# KiCad board QBusH723Z.kicad_pcb (continued)
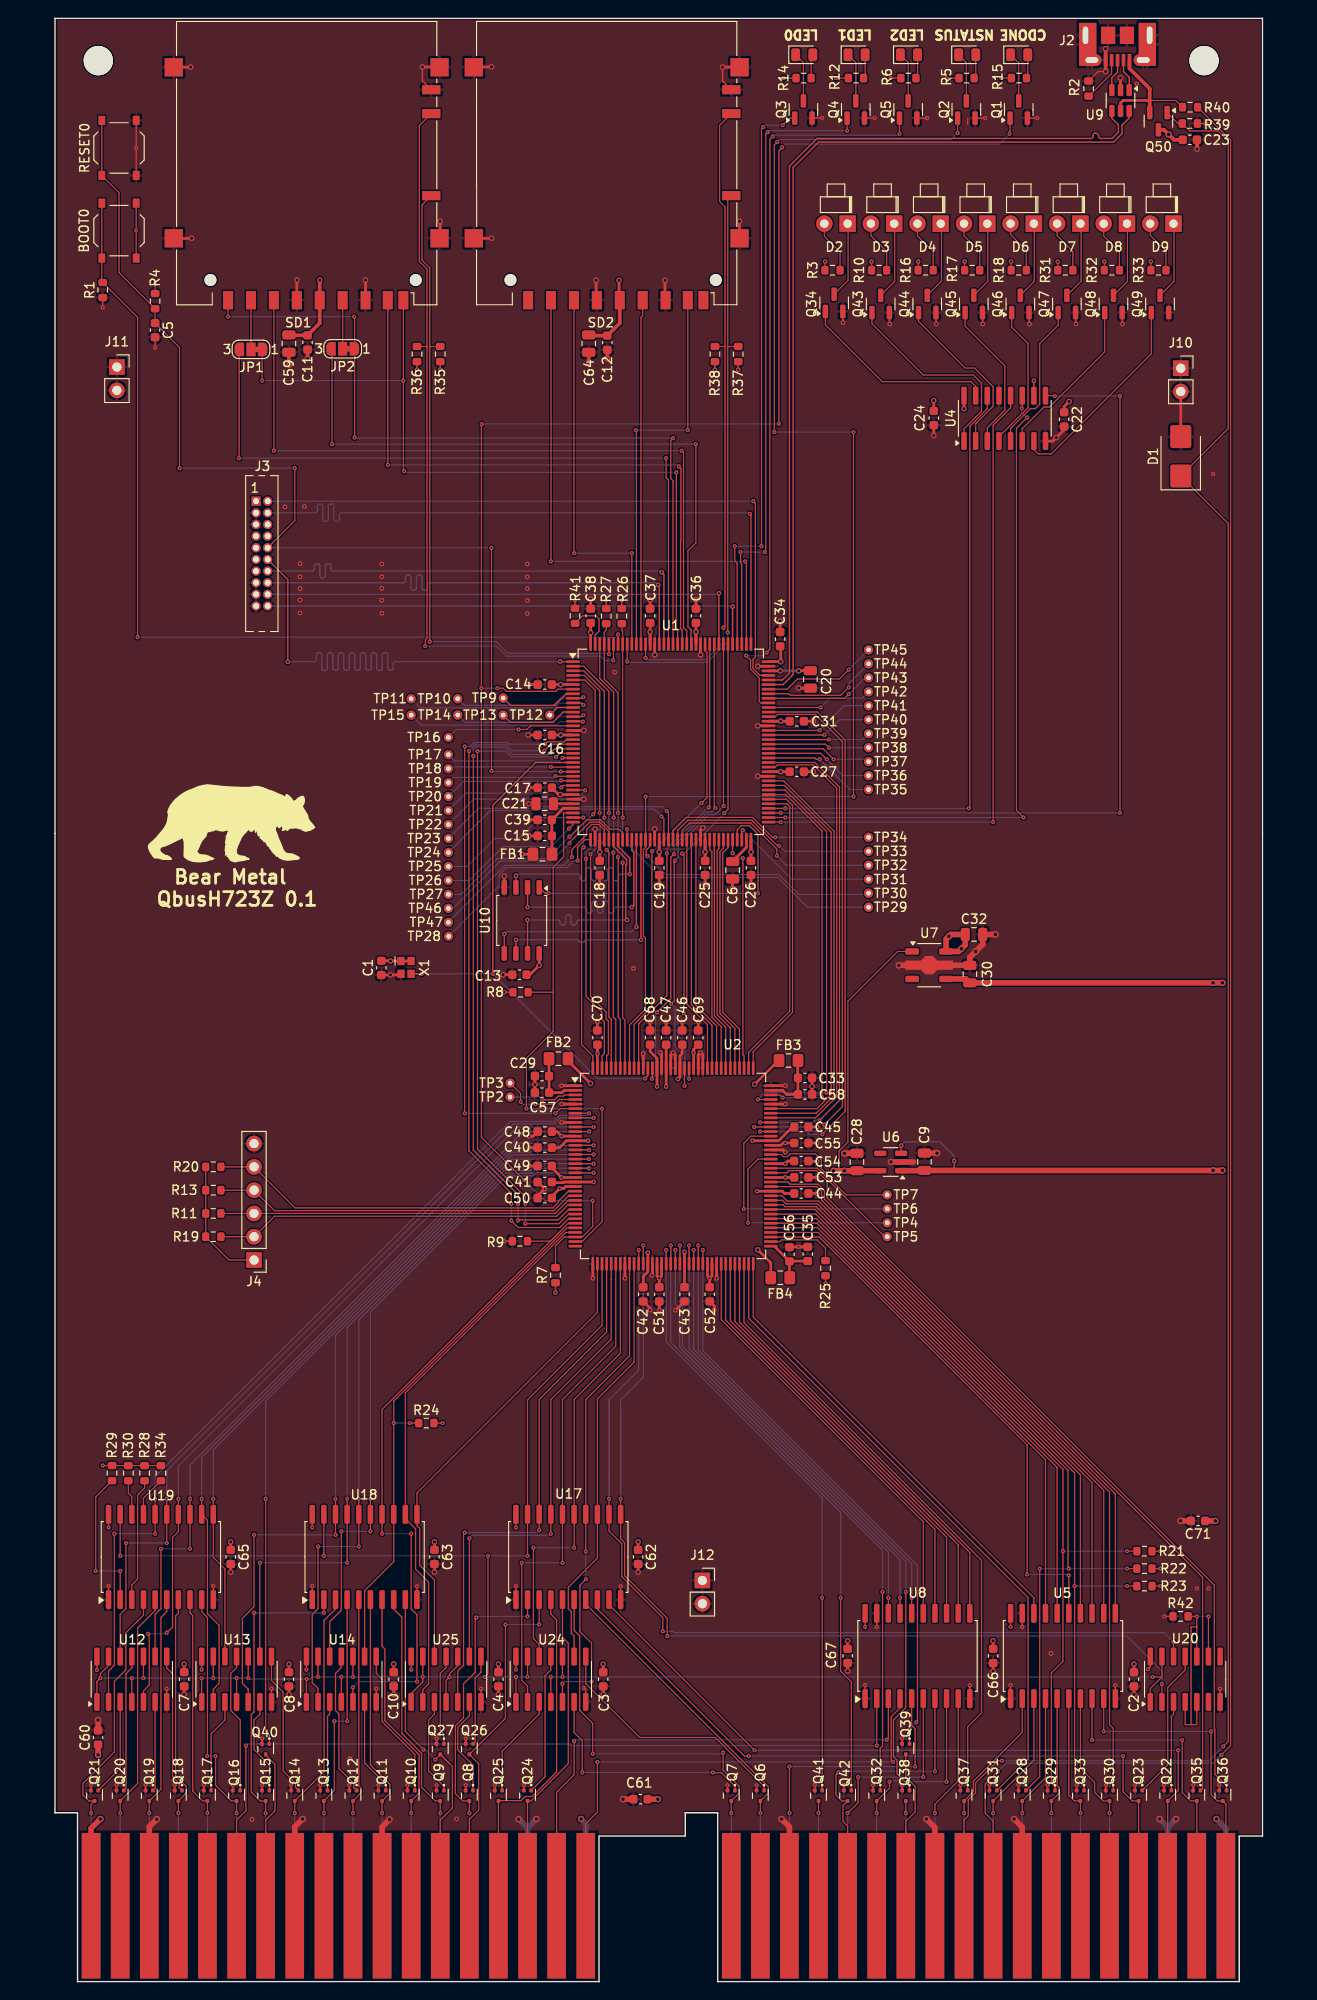
[diagram p0: board, top side]
## Routing (per net, layer and track width the routed paths; a pad name or vN(x,y) marks a point on that pad's centre or on a via; arc(x,y) is an arc through that point) (continued)
/LD0: length 21.6
  Top w0.127: U4.15 100.46,173.98 99.94,174.5 90.26,174.5 84.06,180.7 Q34.1
/LD1: length 22.9
  Top w0.127: Q43.1 89.14,180.82 94.74,175.22 100.2,175.22 101.09,174.33 101.09,171.26 99.19,169.36 U4.1
/LD2: length 18.8
  Top w0.127: U4.2 100.46,169.91 102.36,171.81 102.36,173.95 100.33,175.98 99.31,175.98 94.22,181.08 Q44.1
/LD3: length 16.6
  Top w0.127: U4.3 101.73,169.47 103.63,171.37 103.63,176.24 99.3,180.57 Q45.1
/LD4: length 15.6
  Top w0.127: Q46.1 104.38,180.44 106.17,178.65 106.17,171.67 103,168.49
/LD5: length 15.6
  Top w0.127: 104.27,168.87 104.27,169.4 106.43,171.56 106.96,171.56 107.44,172.04 107.44,178.65 109.46,180.67 Q47.1
/LD6: length 17.9
  Top w0.127: Q48.1 114.54,177.76 108.51,171.73 107.92,171.73 105.54,169.35 105.54,168.23
/LD7: length 23
  Top w0.127: U4.7 106.81,167.08 107.27,166.62 108.71,166.62 119.62,177.54 Q49.1
/LED0: length 63.3
  Top w0.127: v3(74.17,156.55) 74.17,154.93 74.44,154.66 U1.112 ; Q3.1 80.16,203.24 v3(79.4,202.48) ; v3(77.07,156.55) 77.09,156.57 77.09,202.1 v3(77.27,202.27)
  Bottom w0.127: v3(77.27,202.27) 77.47,202.48 v3(79.4,202.48) ; v3(77.07,156.55) v3(74.17,156.55)
/LED1: length 68.8
  Top w0.127: v3(77.47,155.92) 77.55,156 77.55,201.49 v3(77.77,201.71) ; v3(86.44,201.87) 86.43,201.88 Q4.1 ; 74.93,145.88 74.93,154.6 74.8,154.73 v3(74.8,155.92)
  Bottom w0.127: v3(77.77,201.71) 77.93,201.87 v3(86.44,201.87) ; v3(74.8,155.92) v3(77.47,155.92)
/LED2: length 81.3
  Top w0.127: Q5.1 92.14,201.54 v3(92.15,201.53) ; v3(77.65,144.95) 78,145.3 78,200.93 v3(78.33,201.26) ; v3(75.41,144.61) 75.9,144.13 75.9,143.14 76.84,142.2 76.84,139.64 77.01,139.46 U1.99
  Bottom w0.127: v3(75.41,144.61) 77.32,144.61 v3(77.65,144.95) ; v3(78.33,201.26) 78.46,201.38 92,201.38 v3(92.15,201.53)
/MCO1: length 11.5
  Top w0.127: v3(86.61,140.42) 86.15,139.96 U1.100
  Bottom w0.127: 88.39,142.2 v3(86.61,140.42)
/MSPARE_AK1: length 222.3
  Top w0.127: v3(127.25,24.73) 128.27,25.74 128.27,200.84 R40.1 ; v3(102.87,22.94) 101.5,21.57 101.5,18.38 102.36,17.51 J1.AK1
  Bottom w0.127: v3(102.87,22.94) 103.77,23.84 126.37,23.84 v3(127.25,24.73)
/MSPARE_AL1: length 230.1
  Top w0.127: D1.1 128.02,159.03 128.02,26.2 v3(127.47,25.65) ; Q50.1 122.54,202.65 R39.2 123.81,201.84 126.91,201.84 128.02,200.73 128.02,169.39 122.83,164.21 ; v3(103.33,24.09) 102.87,24.09 100.46,21.68 100.46,20.62 99.65,19.81 99.65,18.08 99.19,17.61 J1.AL1
  Bottom w0.127: v3(127.47,25.65) 125.91,24.09 v3(103.33,24.09)
/NBL0: length 49.3
  Top w0.127: U2.138 61.69,104.96 61.45,105.19 61.45,122.61 v3(61.42,122.65) ; v3(61.44,127.47) 61.44,140.57 59.94,142.07 U1.141 59.94,147.17 60.15,147.38 R27.2
  Bottom w0.127: v3(61.44,127.47) 61.44,122.67 v3(61.42,122.65)
/NBL1: length 47
  Top w0.127: U1.142 59.44,142.14 60.95,140.63 v3(60.95,126.96) ; v3(60.92,123.15) 60.91,123.14 60.91,105.24 61.19,104.96 U2.139
  Bottom w0.127: v3(60.95,126.96) 60.95,123.18 v3(60.92,123.15)
/NE1: length 61.7
  Top w0.127: v3(76.94,92.71) U2.98 ; 77.86,138.47 83.18,138.47 86.21,135.44 86.21,94.9 v3(83.73,92.42)
  Bottom w0.127: v3(83.73,92.42) 82.3,92.42 82.01,92.71 v3(76.94,92.71)
/NL: length 48.6
  Top w0.127: v3(61.94,126.96) U1.137 61.94,147.27 61.85,147.36 R26.2 ; U2.137 62.19,104.89 61.94,105.14 v3(61.94,122.03)
  Bottom w0.127: v3(61.94,126.96) v3(61.94,122.03)
/NOE: length 49.5
  Top w0.127: v3(66.76,123.06) 66.76,107.54 63.69,104.46 U2.134 ; U1.118 71.44,128.17 v3(71.32,128.05)
  Bottom w0.127: v3(66.76,123.06) 66.76,123.55 71.27,128.05 v3(71.32,128.05)
/nRESET: length 121.6
  Top w0.127: v3(47.62,132.04) v3(47.62,156.38) ; J3.10 26.16,159.34 v3(26.16,165.06) ; v3(13.59,165.06) 13.59,178.22 C5.1 R4.1 6.99,186.4 6.99,195.11 RESET0.1 RESET0.1 ; U1.25 55.17,131.96 v3(55.17,131.97)
  Bottom w0.127: v3(13.59,165.06) v3(26.16,165.06) ; v3(47.62,156.38) J3.10 ; v3(47.62,132.04) 47.7,131.97 v3(55.17,131.97)
/NSTATUS: length 155.1
  Top w0.127: v3(98.49,201.62) Q2.1 ; v3(78.49,169) 78.49,200.32 v3(78.82,200.65) ; U2.136 62.69,104.32 64.42,106.06 64.42,113.83 64.2,114.04 64.2,123.47 64.44,123.71 U1.49 v3(64.44,129.25) ; v3(87.12,169) v3(87.12,129.25)
  Bottom w0.127: v3(87.12,169) v3(78.49,169) ; v3(78.82,200.65) 79.07,200.9 97.77,200.9 v3(98.49,201.62) ; v3(64.44,129.25) v3(87.12,129.25)
/NWAIT: length 62.1
  Top w0.127: U1.96 78.59,137.96 78.84,138.21 82.93,138.21 85.91,135.24 85.91,95.43 v3(83.94,93.46) ; v3(76.28,93.21) U2.99
  Bottom w0.127: v3(83.94,93.46) 83.94,93.25 83.42,92.73 82.42,92.73 81.94,93.21 v3(76.28,93.21)
/NWE: length 49.7
  Top w0.127: v3(70.54,128.54) 71.13,129.13 71.13,144.94 70.94,145.14 U1.119 ; v3(65.15,123.3) 65.13,123.28 65.13,106.33 63.19,104.39 U2.135
  Bottom w0.127: v3(65.15,123.3) 65.28,123.3 70.51,128.54 v3(70.54,128.54)
/Outbound: length 273.1
  Top w0.127: v3(29.34,46.44) U18.19 ; 9.65,35.46 v3(9.65,33.11) ; U13.1 v3(16,33.11) ; 120.78,33.24 119.51,31.97 U20.1 ; 120.78,33.24 v3(119.76,33.24) ; 120.78,33.24 120.78,35.46 ; 40.13,35.46 v3(40.13,33.24) 40.13,32.68 38.86,31.41 ; 5.84,35.46 5.84,34.48 4.95,33.59 v3(4.95,33.11) 4.57,32.73 U12.1 ; 32.51,35.46 v3(32.51,33.24) ; 51.56,51.37 51.56,63.46 59.69,71.59 U2.39 ; v3(28.7,33.24) 28.7,35.46 ; v3(50.29,33.24) U24.1 ; U25.4 42.67,32.85 v3(43.05,33.24) 43.05,33.59 43.94,34.48 43.94,35.46 ; v3(55.37,33.24) 55.37,35.46 ; U13.4 v3(19.81,33.11) ; v3(46.89,33.24) 47.24,33.59 v3(47.24,46.44) ; 21.08,35.46 v3(21.08,33.11) ; v3(7.11,46.44) U19.19 ; v3(51.56,33.24) 51.56,35.46 ; U24.4 v3(54.1,33.24) ; U14.1 27.43,32.98 v3(27.46,33.01) ; U17.19 v3(51.56,46.44) ; U12.4 v3(8.38,33.11) ; U14.4 v3(31.24,33.24) ; v3(17.27,33.11) 17.27,35.46
  Bottom w0.127: v3(119.76,33.24) v3(55.37,33.24) v3(51.56,33.24) v3(50.29,33.24) v3(46.89,33.24) v3(40.13,33.24) v3(32.51,33.24) v3(31.24,33.24) v3(28.7,33.24) 28.07,33.24 27.84,33.01 v3(27.46,33.01) 21.18,33.01 v3(21.08,33.11) v3(19.81,33.11) v3(17.27,33.11) v3(16,33.11) v3(4.95,33.11) ; v3(51.56,46.44) v3(47.24,46.44) v3(29.34,46.44) v3(7.11,46.44)
/PD6_SD_CLK: length 72.2
  Top w0.127: v3(30.23,167.68) 30.23,177.89 ; v3(69.93,167.68) 69.93,156.91 69.06,156.04 69.06,147.77 69.4,147.43 69.4,145.91
  Bottom w0.127: v3(30.23,167.68) v3(69.93,167.68)
/PD7_SD_CMD_SPI1_MOSI: length 82.2
  Top w0.127: U1.123 68.94,147.31 68.58,147.66 68.58,166.76 v3(68.38,166.97) ; v3(23.88,166.97) 23.89,166.98 SD1.2
  Bottom w0.127: v3(68.38,166.97) v3(23.88,166.97)
/PDR_ON: length 6
  Top w0.127: R41.2 57.57,148.96 59.03,148.96 59.36,148.63 59.36,147.28 58.94,146.86 U1.143
/PG9_SD_D0_SPI1_MISO: length 69.3
  Top w0.127: v3(68.05,165.26) 68.3,165.01 68.3,157.21 68.26,157.17 68.26,147.55 68.44,147.37 U1.124 ; v3(36.32,165.42) 36.32,182.36 36.31,182.37 SD1.7
  Bottom w0.127: v3(68.05,165.26) 67.89,165.42 v3(36.32,165.42)
/PG10_SD_D1_SPI1_NSS: length 85.9
  Top w0.127: U1.125 67.94,147.44 67.79,147.59 v3(67.79,164.6) ; SD1.8 v3(38.01,174.61) 38.01,164.82 v3(38.1,164.73) ; v3(22.61,174.61) 22.61,177.94
  Bottom w0.127: v3(38.1,164.73) 38.23,164.6 v3(67.79,164.6) ; v3(38.01,174.61) v3(22.61,174.61)
/PG11_SD_D2_SPI1_SCK: length 85.7
  Top w0.127: v3(32.64,181.58) 32.69,181.53 JP2.1 v3(32.69,168.41) ; v3(18.89,181.58) 18.89,182.86 ; U1.126 67.44,163.71 67.19,163.96 67.19,168.09 v3(67.44,168.34)
  Bottom w0.127: v3(32.69,168.41) 32.77,168.34 v3(67.44,168.34) ; v3(32.64,181.58) v3(18.89,181.58)
/PG12_SD_D3: length 78.9
  Top w0.127: v3(66.68,166.15) 66.68,164.04 66.94,163.78 U1.127 ; 20.09,178.01 20.09,166.18 v3(20.07,166.15)
  Bottom w0.127: v3(20.07,166.15) v3(66.68,166.15)
/QSPI_CLK: length 26.4
  Top w0.152: v2(50.29,113.63) U10.6 ; v2(63.94,113.63) U1.48
  Bottom w0.152: v2(63.94,113.63) 57.91,113.63 arc(57.81,113.59) 57.77,113.49 arc(57.72,113.39) 57.62,113.35 57.31,113.35 arc(57.21,113.39) 57.17,113.49 arc(57.12,113.59) 57.02,113.63 v2(50.29,113.63)
/QSPI_IO0: length 26.4
  Top w0.152: v2(49.02,114.26) U10.5 ; v2(63.44,115.02) U1.47
  Bottom w0.152: v2(63.44,115.02) 62.93,114.52 49.28,114.52 v2(49.02,114.26)
/QSPI_IO1: length 26.4
  Top w0.152: U1.46 62.94,123.38 63.16,123.16 63.16,117.4 v2(62.94,117.18) ; v2(51.56,117.18) U10.2
  Bottom w0.152: v2(51.56,117.18) 57.75,117.18 arc(57.92,117.11) 57.99,116.94 57.99,116.77 arc(58.06,116.6) 58.23,116.53 58.35,116.53 arc(58.52,116.6) 58.59,116.77 58.59,117.6 arc(58.66,117.77) 58.83,117.84 58.95,117.84 arc(59.12,117.77) 59.19,117.6 59.19,116.77 arc(59.26,116.6) 59.43,116.53 59.55,116.53 arc(59.72,116.6) 59.79,116.77 59.79,117.6 arc(59.86,117.77) 60.03,117.84 60.15,117.84 arc(60.32,117.77) 60.39,117.6 60.39,116.77 arc(60.46,116.6) 60.63,116.53 60.75,116.53 arc(60.92,116.6) 60.99,116.77 60.99,116.94 arc(61.06,117.11) 61.23,117.18 v2(62.94,117.18)
/QSPI_IO2: length 26.4
  Top w0.152: U1.43 61.44,123.81 62.71,122.54 v3(62.71,120.79) ; v2(50.29,120.61) U10.3
  Bottom w0.152: v2(50.29,120.61) 50.47,120.79 57.07,120.79 arc(57.24,120.72) 57.31,120.55 57.31,120.32 arc(57.38,120.15) 57.55,120.08 57.67,120.08 arc(57.84,120.15) 57.91,120.32 57.91,121.26 arc(57.98,121.43) 58.15,121.5 58.27,121.5 arc(58.44,121.43) 58.51,121.26 58.51,120.32 arc(58.58,120.15) 58.75,120.08 58.87,120.08 arc(59.04,120.15) 59.11,120.32 59.11,121.26 arc(59.18,121.43) 59.35,121.5 59.47,121.5 arc(59.64,121.43) 59.71,121.26 59.71,120.32 arc(59.78,120.15) 59.95,120.08 60.07,120.08 arc(60.24,120.15) 60.31,120.32 60.31,121.26 arc(60.38,121.43) 60.55,121.5 60.67,121.5 arc(60.84,121.43) 60.91,121.26 60.91,120.32 arc(60.98,120.15) 61.15,120.08 61.27,120.08 arc(61.44,120.15) 61.51,120.32 61.51,120.55 arc(61.58,120.72) 61.75,120.79 v3(62.71,120.79)
/QSPI_IO3: length 26.4
  Top w0.152: U1.42 60.94,123.81 62.37,122.38 62.37,121.85 62.28,121.77 62.28,115.92 v2(62.42,115.79) ; v2(51.56,115.79) U10.7
  Bottom w0.152: v2(62.42,115.79) 57.15,115.79 arc(56.98,115.72) 56.91,115.55 56.91,115.48 arc(56.84,115.31) 56.67,115.24 56.55,115.24 arc(56.38,115.31) 56.31,115.48 56.31,116.09 arc(56.24,116.26) 56.07,116.33 55.95,116.33 arc(55.78,116.26) 55.71,116.09 55.71,115.48 arc(55.64,115.31) 55.47,115.24 55.35,115.24 arc(55.18,115.31) 55.11,115.48 55.11,115.55 arc(55.04,115.72) 54.87,115.79 v2(51.56,115.79)
/QSPI_NCS: length 34.5
  Top w0.127: U10.1 53.47,118.71 v3(53.85,118.71) ; U1.69 74.44,125.65 74.85,126.06 75.79,126.06 76.71,125.14 v3(76.71,118.71)
  Bottom w0.127: v3(53.85,118.71) 53.88,118.68 76.68,118.68 v3(76.71,118.71)
/RXD: length 12.7
  Top w0.127: v3(86.61,143.09) 85.6,142.07 81.03,142.07 79.91,140.96 U1.102
  Bottom w0.127: TP45.1 v3(86.61,143.09)
/SD_CLK_SPI1_SCK: length 4.8
  Top w0.127: JP2.2 31.39,182.86
/SD_D3_SPI1_NSS: length 5.3
  Top w0.127: 21.39,183.38 21.39,178.09
/SPI2_MISO: length 92
  Top w0.127: v3(79.19,127.46) 79.19,127.46 U1.75 ; v3(109.09,172.94) 109.06,172.97 U4.9 ; v3(116.2,127.46) 116.2,127.47 v3(116.2,172.94)
  Bottom w0.127: v3(116.2,172.94) v3(109.09,172.94) ; v3(116.2,127.46) v3(79.19,127.46)
/SPI2_MOSI: length 67.7
  Top w0.127: v3(79.69,127.96) U1.76 ; v3(99.69,127.98) 99.82,128.1 99.82,169.63 101.73,171.54 U4.14
  Bottom w0.127: v3(79.69,127.96) 99.68,127.96 v3(99.69,127.98)
/SPI2_NSS: length 71.8
  Top w0.127: U4.12 104.27,171.65 102.36,169.74 v3(102.36,126.46) ; U1.73 v3(79.19,126.46)
  Bottom w0.127: v3(79.19,126.46) v3(102.36,126.46)
/SPI2_SCK: length 74.9
  Top w0.127: v3(106.08,170.59) 104.9,169.41 104.9,127.75 v3(105.69,126.96) ; U4.11 105.54,171.65 v3(105.48,171.6) ; v3(79.69,126.96) U1.74
  Bottom w0.127: v3(105.48,171.6) 105.48,171.19 v3(106.08,170.59) ; v3(79.69,126.96) v3(105.69,126.96)
/SPI3_MISO: length 43.2
  Top w0.127: U1.134 63.44,169.15 v3(63.37,169.21) ; v3(69.05,169.21) SD2.7
  Bottom w0.127: v3(63.37,169.21) v3(69.05,169.21)
/SPI3_MOSI: length 43.8
  Top w0.127: v3(62.94,155.79) U1.135 ; SD2.2 56.62,155.81 v3(56.64,155.79)
  Bottom w0.127: v3(62.94,155.79) v3(56.64,155.79)
/SPI3_NSS: length 58.8
  Top w0.127: SD2.1 54.12,154.92 v3(54.1,154.9) ; v3(75.31,154.9) 75.44,154.78 U1.110
  Bottom w0.127: v3(54.1,154.9) v3(75.31,154.9)
/SPI3_SCK: length 37.6
  Top w0.127: U1.133 63.94,181.5 64.12,181.69 SD2.5
/SPI5_MISO: length 71.7
  Top w0.127: U1.20 54.54,134.46 v3(54.1,134.02) ; v3(45.64,133.67) 45.64,90.69 50.52,85.81 v3(50.52,84.82) ; U2.28 56.04,84.21 54.91,83.08 50.58,83.08 v3(50.52,83.02)
  Bottom w0.127: v3(45.64,133.67) 45.64,134.33 45.94,134.63 49.11,134.63 49.92,133.82 53.9,133.82 v3(54.1,134.02) ; v3(50.52,83.02) v3(50.52,84.82)
/SPI5_MOSI: length 70.4
  Top w0.127: U2.29 56.04,83.71 54.99,82.66 v3(51.31,82.66) ; U1.21 55.06,133.96 v3(54.66,133.57) ; v3(51.31,84.85) 51.31,85.61 46.1,90.82 v3(46.1,134.2)
  Bottom w0.127: v3(51.31,84.85) v3(51.31,82.66) ; v3(54.66,133.57) 49.8,133.57 49.17,134.2 v3(46.1,134.2)
/SPI5_NSS: length 64.6
  Top w0.127: v3(54.61,94.7) 55.12,95.21 U2.6 ; v3(44.7,94.7) v3(44.7,134.71) ; U1.18 55.79,135.46 55.54,135.22 53.72,135.22 v3(53.47,134.96)
  Bottom w0.127: v3(53.47,134.96) 49.5,134.96 49.32,135.14 45.73,135.14 45.3,134.71 v3(44.7,134.71) ; v3(44.7,94.7) v3(54.61,94.7)
/SPI5_SCK: length 73
  Top w0.127: v3(45.19,134.2) 45.16,134.18 45.16,90.61 49.78,85.99 v3(49.78,84.82) ; v3(53.39,134.25) 54.1,134.96 U1.19 ; v3(49.78,82.99) 50.53,82.25 55.07,82.25 56.04,83.21 U2.30
  Bottom w0.127: v3(45.19,134.2) 45.19,134.24 45.84,134.89 49.22,134.89 49.85,134.25 v3(53.39,134.25) ; v3(49.78,82.99) v3(49.78,84.82)
/SWCLK: length 73.5
  Top w0.127: v3(75.81,160.09) 75.94,159.96 U1.109
  Bottom w0.127: J3.4 28.38,160.19 arc(28.55,160.26) 28.62,160.43 28.62,160.9 arc(28.69,161.07) 28.86,161.14 28.98,161.14 arc(29.15,161.07) 29.22,160.9 29.22,159.49 arc(29.29,159.32) 29.46,159.25 29.58,159.25 arc(29.75,159.32) 29.82,159.49 29.82,160.9 arc(29.89,161.07) 30.06,161.14 30.18,161.14 arc(30.35,161.07) 30.42,160.9 30.42,159.49 arc(30.49,159.32) 30.66,159.25 30.78,159.25 arc(30.95,159.32) 31.02,159.49 31.02,159.95 arc(31.09,160.12) 31.26,160.19 75.71,160.19 v3(75.81,160.09)
/SWDIO: length 73.4
  Top w0.127: U1.105 76.93,142.46 76.15,143.24 76.15,144.21 76.42,144.48 76.42,161.23 v3(76.19,161.46)
  Bottom w0.127: v3(76.19,161.46) J3.2
/TEST_N: length 7.8
  Top w0.127: R25.2 84.07,79.97 83.15,80.9 79.29,80.9 79.1,80.71 U2.74
/TRACECK: length 66.9
  Top w0.152: v2(55.12,143.98) 55.14,143.96 U1.1 ; J3.12 25.4,152.92 v2(25.4,143.95)
  Bottom w0.152: v2(55.12,143.98) 55.1,143.96 37.15,143.96 arc(36.98,143.89) 36.91,143.72 36.91,143.25 arc(36.84,143.08) 36.67,143.01 36.55,143.01 arc(36.38,143.08) 36.31,143.25 36.31,144.68 arc(36.24,144.85) 36.07,144.92 35.95,144.92 arc(35.78,144.85) 35.71,144.68 35.71,143.25 arc(35.64,143.08) 35.47,143.01 35.35,143.01 arc(35.18,143.08) 35.11,143.25 35.11,144.68 arc(35.04,144.85) 34.87,144.92 34.75,144.92 arc(34.58,144.85) 34.51,144.68 34.51,143.25 arc(34.44,143.08) 34.27,143.01 34.15,143.01 arc(33.98,143.08) 33.91,143.25 33.91,144.68 arc(33.84,144.85) 33.67,144.92 33.55,144.92 arc(33.38,144.85) 33.31,144.68 33.31,143.25 arc(33.24,143.08) 33.07,143.01 32.95,143.01 arc(32.78,143.08) 32.71,143.25 32.71,144.68 arc(32.64,144.85) 32.47,144.92 32.35,144.92 arc(32.18,144.85) 32.11,144.68 32.11,143.25 arc(32.04,143.08) 31.87,143.01 31.75,143.01 arc(31.58,143.08) 31.51,143.25 31.51,144.68 arc(31.44,144.85) 31.27,144.92 31.15,144.92 arc(30.98,144.85) 30.91,144.68 30.91,143.25 arc(30.84,143.08) 30.67,143.01 30.55,143.01 arc(30.38,143.08) 30.31,143.25 30.31,144.68 arc(30.24,144.85) 30.07,144.92 29.95,144.92 arc(29.78,144.85) 29.71,144.68 29.71,143.25 arc(29.64,143.08) 29.47,143.01 29.35,143.01 arc(29.18,143.08) 29.11,143.25 29.11,144.68 arc(29.04,144.85) 28.87,144.92 28.75,144.92 arc(28.58,144.85) 28.51,144.68 28.51,144.2 arc(28.44,144.03) 28.27,143.96 25.41,143.96 v2(25.4,143.95) 25.4,143.96
/TRACED0: length 54.8
  Top w0.152: v2(66.19,153.71) 66.44,153.46 U1.128
  Bottom w0.152: J3.14 28.06,153.84 arc(28.23,153.91) 28.3,154.08 28.3,154.4 arc(28.37,154.57) 28.54,154.64 28.66,154.64 arc(28.83,154.57) 28.9,154.4 28.9,153.33 arc(28.97,153.16) 29.14,153.09 29.26,153.09 arc(29.43,153.16) 29.5,153.33 29.5,154.4 arc(29.57,154.57) 29.74,154.64 29.86,154.64 arc(30.03,154.57) 30.1,154.4 30.1,154.08 arc(30.17,153.91) 30.34,153.84 66.06,153.84 v2(66.19,153.71)
/TRACED1: length 54.8
  Top w0.152: v2(65.81,152.34) 65.94,152.21 U1.129
  Bottom w0.152: J3.16 38,152.57 arc(38.17,152.64) 38.24,152.81 38.24,153.16 arc(38.31,153.33) 38.48,153.4 38.6,153.4 arc(38.77,153.33) 38.84,153.16 38.84,151.98 arc(38.91,151.81) 39.08,151.74 39.2,151.74 arc(39.37,151.81) 39.44,151.98 39.44,153.16 arc(39.51,153.33) 39.68,153.4 39.8,153.4 arc(39.97,153.33) 40.04,153.16 40.04,151.98 arc(40.11,151.81) 40.28,151.74 40.4,151.74 arc(40.57,151.81) 40.64,151.98 40.64,152.33 arc(40.71,152.5) 40.88,152.57 65.58,152.57 v2(65.81,152.34)
/TRACED2: length 54.8
  Top w0.152: U1.116 72.44,151.42 v2(72.44,151.42)
  Bottom w0.152: J3.18 72.32,151.3 v2(72.44,151.42)
/TRACED3: length 54.8
  Top w0.152: v2(73.94,149.96) U1.113
  Bottom w0.152: v2(73.94,149.96) 73.87,150.03 J3.20
/TXD: length 12.6
  Top w0.127: v3(86.61,141.19) 85.73,140.3 80.26,140.3 80.1,140.46 U1.101
  Bottom w0.127: v3(86.61,141.19) 86.61,141.57 TP44.1
/USB_D+: length 98.7
  Top w0.152: U1.104 79.38,141.96 80.14,142.72 80.14,198.02 83.14,201.03 113.03,201.03 arc(113.2,201.1) 113.27,201.27 113.27,201.36 arc(113.34,201.53) 113.51,201.6 113.63,201.6 arc(113.8,201.53) 113.87,201.36 113.87,201.27 arc(113.94,201.1) 114.11,201.03 115.34,201.03 116.03,201.72 116.03,202.51 115.31,203.23 U9.4
/USB_D-: length 98.7
  Top w0.152: U9.6 117.21,203.25 116.43,202.48 116.43,201.55 115.51,200.62 83.31,200.62 80.54,197.85 80.54,142.55 79.45,141.46 U1.103
/WRITE_PROTECT_1: length 83.1
  Top w0.127: 40.59,178.27 40.59,186.78 39.75,187.62 39.75,202.42 SD1.11 ; 40.59,178.27 40.53,178.33 R36.1 ; 40.59,178.27 40.59,146.52 40.41,146.35 40.41,145.69 v3(40.39,145.66) ; U1.139 60.94,144.13 v3(60.91,144.11)
  Bottom w0.127: v3(60.91,144.11) 59.99,144.11 59.54,144.56 49.28,144.56 48.18,145.66 v3(40.39,145.66)
/WRITE_PROTECT_2: length 70.5
  Top w0.127: 73.1,178.4 73.1,147.84 v3(72.92,147.66) ; 73.1,178.4 73.1,193.56 72.52,194.14 72.52,202.45 SD2.11 ; 73.1,178.4 73.04,178.33 R38.1 ; v3(64.44,144.36) U1.132
  Bottom w0.127: v3(64.44,144.36) 64.62,144.18 71.01,144.18 72.92,146.09 v3(72.92,147.66)
Net-(C6-Pad1): length 2.9
  Top w0.3: 74,122.26 75.44,123.7 U1.71
Net-(C20-Pad1): length 4.6
  Top w0.3: v1(81.15,142.96) 81.16,142.97 C20.1 ; U1.106 79.14,142.96 v1(79.15,142.96)
  Bottom w0.3: v1(81.15,142.96) v1(79.15,142.96)
Net-(CDONE0-A): length 2.4
  Top w0.127: CDONE0.2 106.14,207.74
Net-(CDONE0-K): length 5.4
  Top w0.127: CDONE0.1 105.16,209.26 Q1.3
Net-(D2-A): length 5.7
  Top w0.127: 85.66,186.74 85.66,188.65 83.95,190.36 D2.2
Net-(D2-K): length 8.3
  Top w0.127: 86.54,191.68 86.54,185.56 Q34.3
Net-(D3-A): length 5.7
  Top w0.127: D3.2 89.03,190.41 90.74,188.7 90.74,186.74
Net-(D3-K): length 8.4
  Top w0.127: Q43.3 91.62,185.43 91.62,191.68
Net-(D4-A): length 5.8
  Top w0.127: D4.2 94.11,190.39 95.82,188.67 R16.1
Net-(D4-K): length 8.4
  Top w0.127: Q44.3 96.73,185.46 96.73,191.65
Net-(D5-A): length 5.8
  Top w0.127: R17.1 100.9,188.7 99.19,190.41 D5.2
Net-(D5-K): length 8.4
  Top w0.127: Q45.3 101.78,185.43 101.78,191.68
Net-(D6-A): length 5.8
  Top w0.127: R18.1 105.98,188.82 104.27,190.54 D6.2
Net-(D6-K): length 8.4
  Top w0.127: Q46.3 106.86,185.43 106.86,191.68
Net-(D7-A): length 5.8
  Top w0.127: D7.2 109.35,190.41 111.06,188.7 R31.1
Net-(D7-K): length 8.4
  Top w0.127: 111.96,191.66 111.96,185.46 Q47.3
Net-(D8-A): length 5.8
  Top w0.127: R32.1 116.14,188.67 114.43,190.39 D8.2
Net-(D8-K): length 8.4
  Top w0.127: 117.02,191.68 117.02,185.43 Q48.3
Net-(D9-A): length 5.7
  Top w0.127: 121.22,186.74 121.22,188.75 119.51,190.46 D9.2
Net-(D9-K): length 8.4
  Top w0.127: 122.1,191.68 122.1,185.43 Q49.3
Net-(J2-D+): length 3.5
  Top w0.152: J2.3 115.94,208.25 115.31,207.62 U9.3
Net-(J2-D-): length 3.5
  Top w0.152: U9.1 117.21,207.69 116.59,208.31 J2.2
Net-(J2-ID): length 5
  Top w0.127: J2.4 115.29,208.11 112.81,205.64
Net-(J2-VBUS): length 14.7
  Top w0.127: 119.37,205.17 122.29,205.17 R40.2
  Top w0.305: U9.5 116.26,204.89 116.54,205.17 119.37,205.17
  Top w0.406: Q50.2 119.45,206.45 117.24,208.66 J2.1
Net-(LED0-A): length 2.4
  Top w0.127: 82.51,209.97 R14.2
Net-(LED0-K): length 5.4
  Top w0.127: LED0.1 81.66,209.3 Q3.3
Net-(LED1-A): length 2.4
  Top w0.127: LED1.2 88.4,207.78
Net-(LED1-K): length 5.4
  Top w0.127: LED1.1 87.39,209.29 87.39,205.13
Net-(LED2-A): length 2.4
  Top w0.127: LED2.2 94.12,207.78
Net-(LED2-K): length 5.4
  Top w0.127: LED2.1 93.09,209.3 Q5.3
Net-(NSTATUS0-A): length 2.4
  Top w0.127: NSTATUS0.2 100.47,207.78
Net-(NSTATUS0-K): length 5.4
  Top w0.127: NSTATUS0.1 99.44,209.3 Q2.3
Net-(R42-Pad2): length 28.5
  Top w0.127: 124.59,38.7 123.95,38.7 123.95,28.03 ; 124.59,38.7 v3(124.59,39.84) R42.2 ; 124.59,38.7 124.59,35.46 ; 123.95,28.03 124.59,28.03 U20.5 ; 123.95,28.03 123.32,28.03 U20.4 ; v3(125.86,39.84) 125.86,35.46
  Bottom w0.127: v3(125.86,39.84) v3(124.59,39.84)
Net-(U1-PA1): length 18.1
  Top w0.127: v3(57.66,126.96) U1.35
  Bottom w0.127: TP25.1 44.96,121.63 48.01,124.68 50.65,124.68 52.93,126.96 v3(57.66,126.96)
Net-(U1-PA2): length 16.4
  Top w0.127: 56.52,126.45 56.52,126.17 v3(56.1,125.76)
  Bottom w0.127: v3(56.1,125.76) 54.13,123.79 48.9,123.79 45.21,120.1 TP26.1
Net-(U1-PA3): length 21.4
  Top w0.127: U1.37 57.84,124.55 57.02,123.73 v3(57.02,122.26)
  Bottom w0.127: TP28.1 48.49,119.55 48.49,120.78 49.21,121.5 55.88,121.5 56.64,122.26 v3(57.02,122.26)
Net-(U1-PA4): length 23.5
  Top w0.127: v3(56.39,122.64) 56.39,123.46 58.02,125.09 58.02,125.68 58.55,126.21 59.32,126.21 59.94,125.59 U1.40
  Bottom w0.127: 42.93,115.57 49.11,121.75 55.5,121.75 v3(56.39,122.64)
Net-(U1-PA5): length 22.8
  Top w0.127: U1.41 60.44,125.45 59.43,126.46 58.35,126.46 56.13,124.24 v3(56.13,124.17)
  Bottom w0.127: v3(56.13,124.17) 54.18,122.21 48.59,122.21 43.43,117.06 TP46.1
Net-(U1-PB11): length 17
  Top w0.127: v3(75.05,125.58) 74.94,125.47 U1.70
  Bottom w0.127: TP31.1 80.39,120.23 75.05,125.57 v3(75.05,125.58)
Net-(U1-PC0): length 13.9
  Top w0.127: U1.26 54.61,131.46 v3(54.59,131.48)
  Bottom w0.127: v3(54.59,131.48) 54.44,131.33 43.48,131.33 TP19.1
Net-(U1-PC1): length 14.3
  Top w0.127: U1.27 55.26,130.96 v3(55.22,131)
  Bottom w0.127: TP20.1 44.58,130.9 55.12,130.9 v3(55.22,131)
Net-(U1-PC2_C): length 14.7
  Top w0.127: v3(55.25,130.25) 55.46,130.46 U1.28
  Bottom w0.127: TP21.1 44.83,129.63 53.72,129.63 54.34,130.25 v3(55.25,130.25)
Net-(U1-PC3_C): length 17.8
  Top w0.127: v3(57.84,129.93) 57.81,129.96 U1.29
  Bottom w0.127: TP22.1 45.69,128.97 56.96,128.97 57.84,129.85 v3(57.84,129.93)
Net-(U1-PC4): length 23.7
  Top w0.127: v3(56.13,124.88) 56.18,124.88 58.02,126.72 59.53,126.72 60.56,125.69 61.53,125.69 61.94,125.29 U1.44
  Bottom w0.127: TP27.1 44.32,118.58 48.21,122.47 53.72,122.47 v3(56.13,124.88)
Net-(U1-PC5): length 31.9
  Top w0.127: v3(62.42,125.69) 62.44,125.67 U1.45
  Bottom w0.127: v3(62.42,125.69) 62.42,124.16 66.14,120.43 78.87,120.43 82.12,117.18 TP29.1
Net-(U1-PC8): length 11.6
  Top w0.127: v3(83.54,138.96) U1.98
  Bottom w0.127: v3(83.54,138.96) 84.56,139.98 88.08,139.98 TP42.1
Net-(U1-PC14): length 8.5
  Top w0.152: TP9.1 49.71,139.18 54.5,139.18 55.79,140.46 U1.8
Net-(U1-PC15): length 15.6
  Top w0.127: v3(57.66,140.09) 57.53,139.96 U1.9
  Bottom w0.127: v3(57.66,140.09) 57.53,139.97 55.14,139.97 54.38,139.2 44.65,139.2 TP10.1
Net-(U1-PF0): length 20.7
  Top w0.127: v3(57.66,139.23) 57.45,139.43 56.55,139.43
  Bottom w0.127: TP11.1 39.85,138.93 54.51,138.93 55.02,139.43 57.45,139.43 v3(57.66,139.23)
Net-(U1-PF1): length 2.9
  Top w0.152: TP12.1 54.8,138.96 U1.11
Net-(U1-PF2): length 8.4
  Top w0.152: TP13.1 49.68,137.35 54.33,137.35 55.44,138.46 U1.12
Net-(U1-PF3): length 15.6
  Top w0.127: U1.13 57.48,137.96 v3(57.66,138.14)
  Bottom w0.127: v3(57.66,138.14) 57.48,137.96 54.97,137.96 54.36,137.35 44.73,137.35 TP14.1
Net-(U1-PF4): length 20.4
  Top w0.127: v3(57.6,137.42) 57.56,137.46 U1.14
  Bottom w0.127: v3(57.6,137.42) 55.11,137.42 54.74,137.05 39.95,137.05 TP15.1
Net-(U1-PF5): length 14.1
  Top w0.127: v3(50.57,136.56) 51.48,136.56 51.88,136.96 U1.15
  Bottom w0.127: TP16.1 43.79,136.56 v3(50.57,136.56)
Net-(U1-PF10): length 14
  Top w0.127: v3(55.4,133.46) U1.22
  Bottom w0.127: v3(55.4,133.46) 55.07,133.13 43.61,133.13 TP17.1
Net-(U1-PF12): length 27.8
  Top w0.127: U1.50 64.94,123.83 64.65,123.55 64.64,123.55 64.52,123.43 64.52,122.88 v3(64.64,122.75)
  Bottom w0.127: v3(64.64,122.75) 66.66,120.74 78.99,120.74 81.15,118.58 88.65,118.58
Net-(U1-PF13): length 28.2
  Top w0.127: U1.53 66.44,126.82 v3(66.17,127.09)
  Bottom w0.127: v3(66.17,127.09) 65.37,127.89 52.2,127.89 52.02,127.71 47.49,127.71 TP24.1
Net-(U1-PF14): length 28.7
  Top w0.127: U1.54 66.94,127.49 v3(66.75,127.67)
  Bottom w0.127: TP23.1 46.22,127.97 51.92,127.97 52.09,128.14 66.28,128.14 v3(66.75,127.67)
Net-(U1-PF15): length 23.8
  Top w0.127: U1.55 67.44,125.56 68.85,126.97 76.11,126.97 78.28,124.8 v3(78.61,124.8)
  Bottom w0.127: v3(78.61,124.8) TP34.1
